# Allegro board HL_VPN_bf.brd
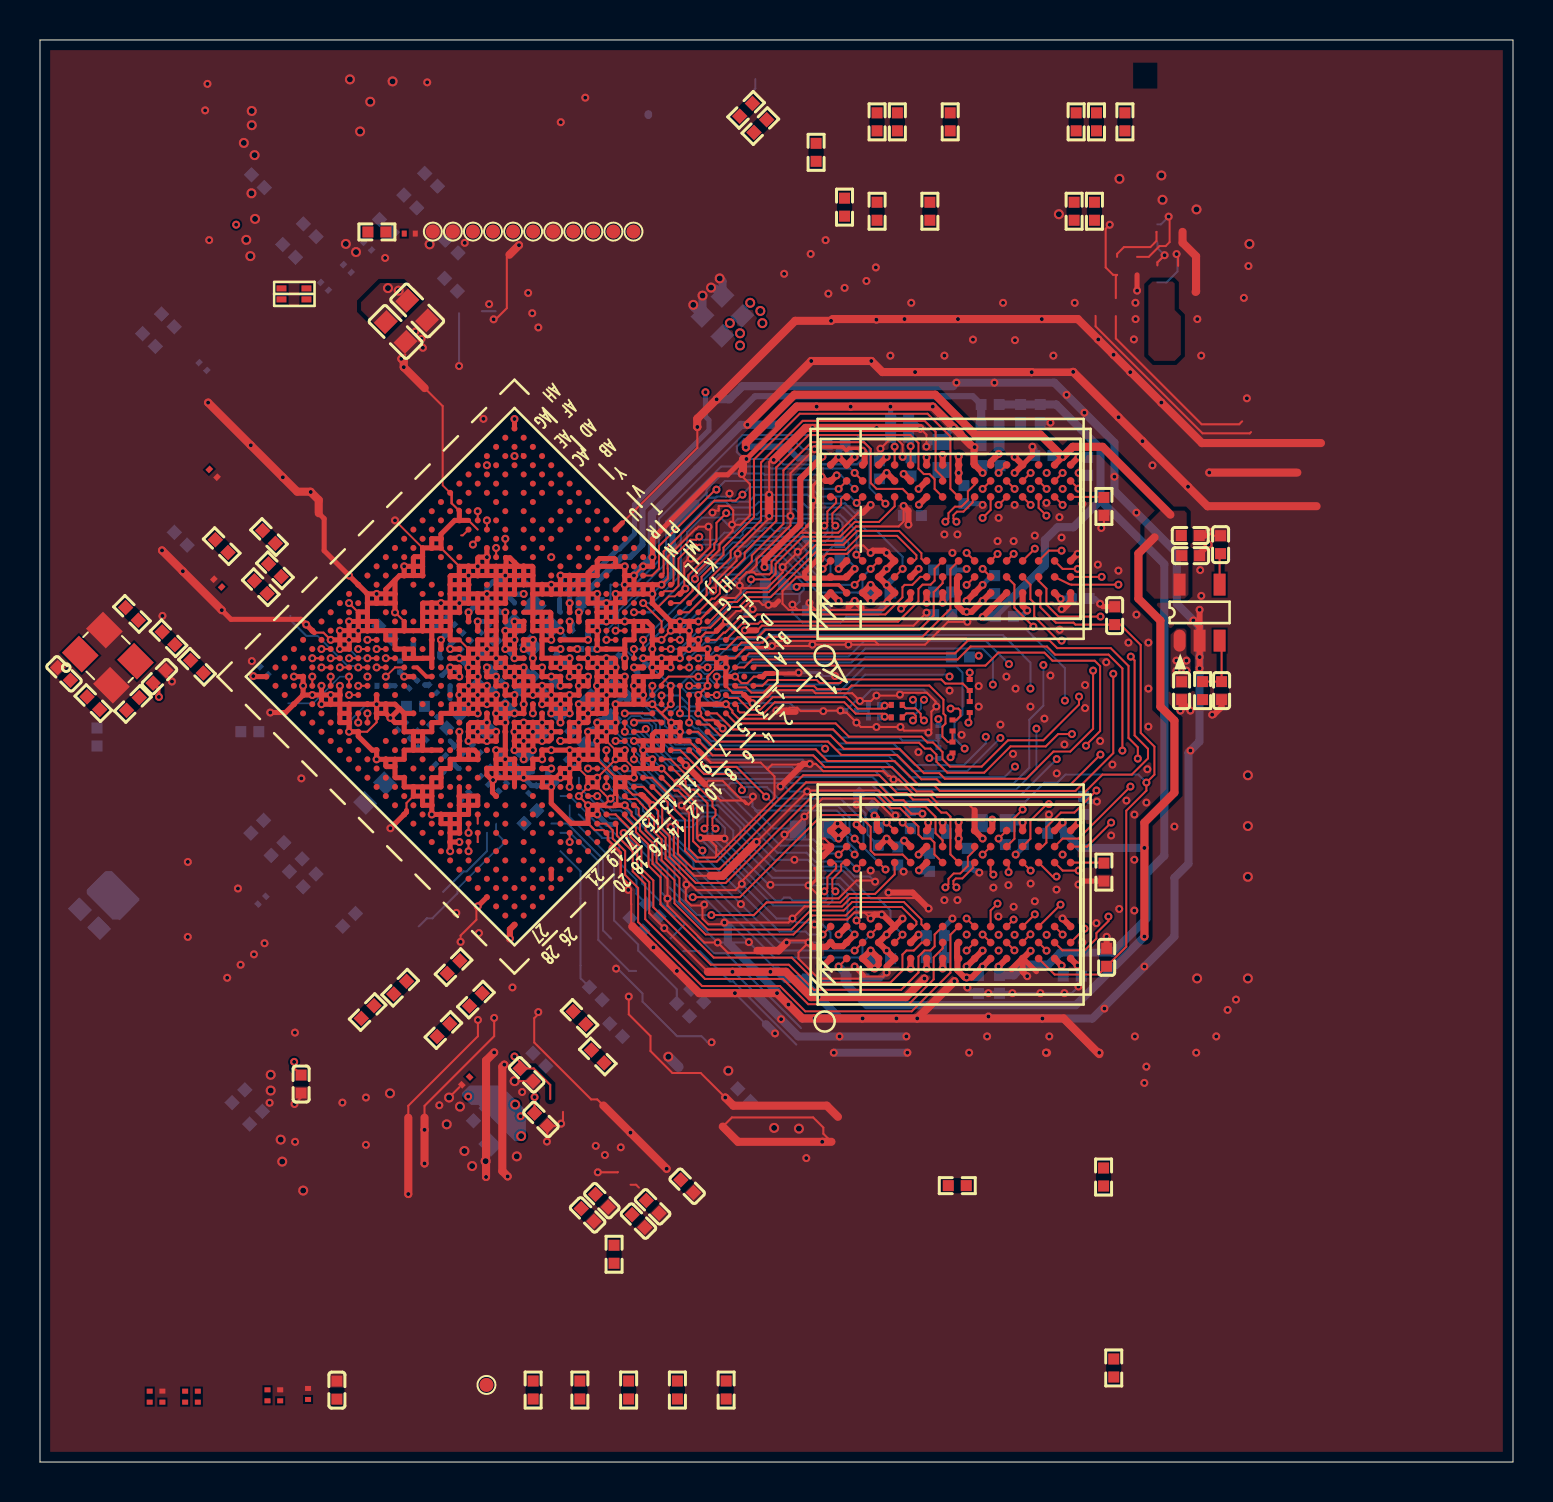
[diagram p0: board, top side]
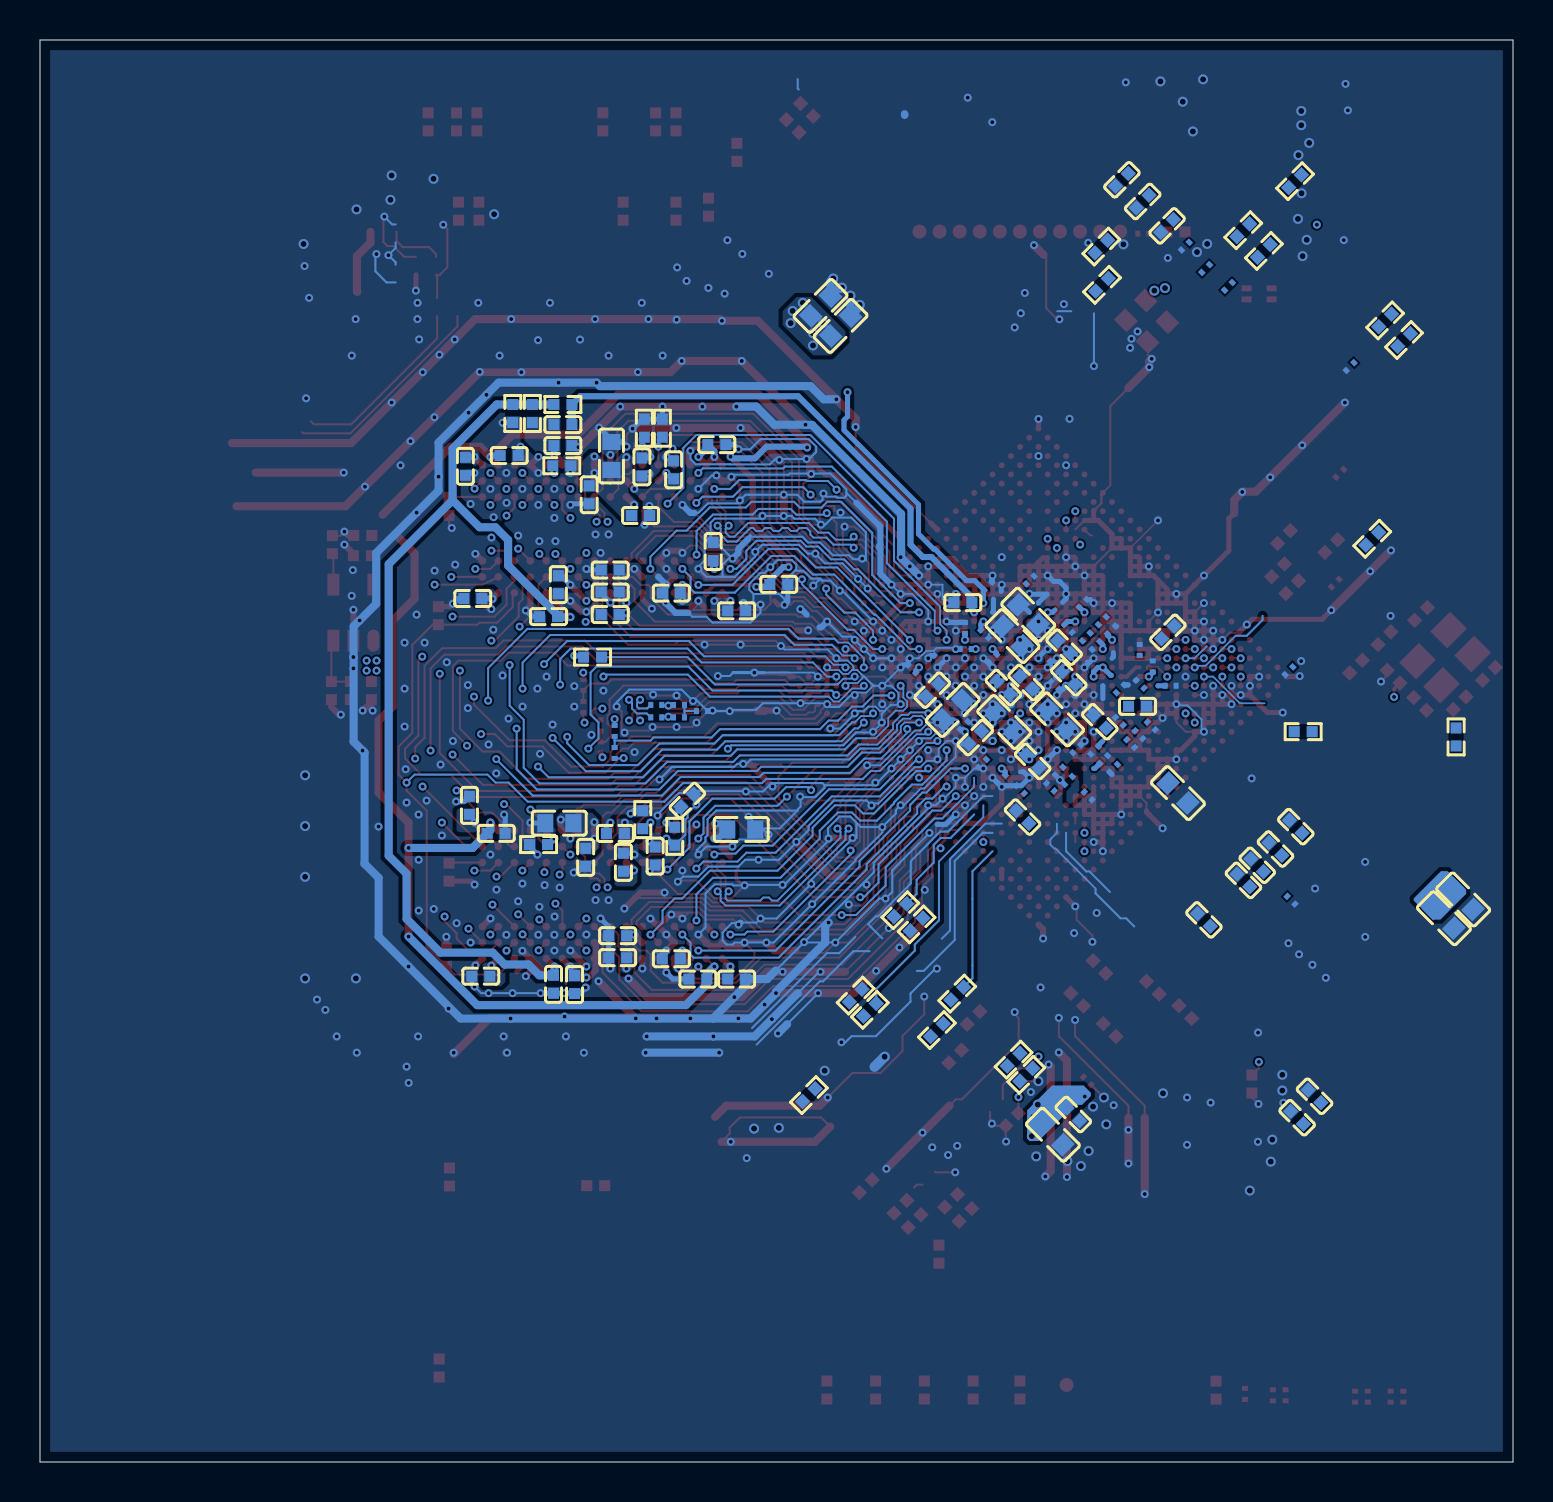
[diagram p1: board, bottom side, seen from below]

Outline 73.66 x 71.12 mm; copper layers: TOP, L2-GND1, L3-POWER, L4-S1, L5-GND2, BOTTOM. Coordinates in mm from the lower left corner of the outline.
Outline path: 0,71.12 73.66,71.12 73.66,0 0,0 0,71.12

## Design rules (mm)
constraint set DEFAULT: min track width 0.102, pair gap 0.102
net group CAN0_RX_M1: nets CAN0_RX_M1 SDMMC0_CLK
net group CIF_CLKOUT: nets CIF_CLKOUT CIF_CLKOUT_SOC
net group CLK0: nets PCIE20_REFCLKN PCIE20_REFCLKP
net group CLK32K_OUT1_WIFI: nets CLK32K_OUT1_WIFI GPIO2_C6
net group DDR4_BG1: nets DDR4_BG1 DDR4_BG1/VSS
net group DP_EDP_TXD0: nets EDP_TXD0N EDP_TXD0P
net group DP_HDMI_TX1: nets HDMI_TX1N HDMI_TX1P
net group DP_HDMI_TX2: nets HDMI_TX2N HDMI_TX2P
net group DP_TX_AUX: nets EDP_TX_AUXN EDP_TX_AUXP
net group DP_TX_D0: nets EDP_TX_D0N EDP_TX_D0P
net group EDP_TXD1N: nets EDP_TX_D1N EDP_TXD1N
net group EDP_TXD2N: nets EDP_TX_D2N EDP_TXD2N
net group EDP_TXD3N: nets EDP_TX_D3N EDP_TXD3N
net group EDP_TXD3P: nets EDP_TX_D3P EDP_TXD3P
net group EMMC_CLKOUT/FLASH_DQS: nets EMMC_CLKOUT/FLASH_DQS EMMC_CLKOUT/FLASH_DQS_SOC
net group ETH1_REFCLKO_25M_M1: nets ETH1_REFCLKO_25M_M1 ETH1_REFCLKO_25M_M1_SOC
net group GMAC1_TXCLK_M1: nets GMAC1_TXCLK_M1 GMAC1_TXCLK_M1_SOC
net group GMAC1_TXD0_M1: nets GMAC1_TXD0_M1 GMAC1_TXD0_M1_SOC
net group GMAC1_TXD1_M1: nets GMAC1_TXD1_M1 GMAC1_TXD1_M1_SOC
net group GMAC1_TXD2_M1: nets GMAC1_TXD2_M1 GMAC1_TXD2_M1_SOC
net group GMAC1_TXD3_M1: nets GMAC1_TXD3_M1 GMAC1_TXD3_M1_SOC
net group GMAC1_TXEN_M1: nets GMAC1_TXEN_M1 GMAC1_TXEN_M1_SOC
net group HDMI_TX0N: nets HDMI_TX0N HDMI_TX0N_PORT
net group HDMI_TX0P: nets HDMI_TX0P HDMI_TX0P_PORT
net group HDMI_TX1: nets HDMI_TX1N_PORT HDMI_TX1P_PORT
net group HDMI_TX2: nets HDMI_TX2N_PORT HDMI_TX2P_PORT
net group HDMI_TXCLKN: nets HDMI_TXCLKN HDMI_TXCLKN_PORT
net group HDMI_TXCLKP: nets HDMI_TXCLKP HDMI_TXCLKP_PORT
net group LVDS_TX0_CLK: nets MIPI_DSI_TX0_CLKN/LVDS_TX0_CLKN MIPI_DSI_TX0_CLKP/LVDS_TX0_CLKP
net group LVDS_TX0_D0: nets MIPI_DSI_TX0_D0N/LVDS_TX0_D0N MIPI_DSI_TX0_D0P/LVDS_TX0_D0P
net group LVDS_TX0_D1: nets MIPI_DSI_TX0_D1N/LVDS_TX0_D1N MIPI_DSI_TX0_D1P/LVDS_TX0_D1P
net group LVDS_TX0_D2: nets MIPI_DSI_TX0_D2N/LVDS_TX0_D2N MIPI_DSI_TX0_D2P/LVDS_TX0_D2P
net group LVDS_TX0_D3: nets MIPI_DSI_TX0_D3N/LVDS_TX0_D3N MIPI_DSI_TX0_D3P/LVDS_TX0_D3P
net group LVDS_TX1_CLK: nets MIPI_DSI_TX1_CLKN MIPI_DSI_TX1_CLKP
net group LVDS_TX1_D0: nets MIPI_DSI_TX1_D0N MIPI_DSI_TX1_D0P
net group LVDS_TX1_D1: nets MIPI_DSI_TX1_D1N MIPI_DSI_TX1_D1P
net group LVDS_TX1_D2: nets MIPI_DSI_TX1_D2N MIPI_DSI_TX1_D2P
net group LVDS_TX1_D3: nets MIPI_DSI_TX1_D3N MIPI_DSI_TX1_D3P
net group MIPI_CSI_RX_CLK0: nets MIPI_CSI_RX_CLK0N MIPI_CSI_RX_CLK0P
net group MIPI_CSI_RX_CLK1: nets MIPI_CSI_RX_CLK1N MIPI_CSI_RX_CLK1P
net group MIPI_CSI_RX_D0: nets MIPI_CSI_RX_D0N MIPI_CSI_RX_D0P
net group MIPI_CSI_RX_D1: nets MIPI_CSI_RX_D1N MIPI_CSI_RX_D1P
net group MIPI_CSI_RX_D2: nets MIPI_CSI_RX_D2N MIPI_CSI_RX_D2P
net group MIPI_CSI_RX_D3: nets MIPI_CSI_RX_D3N MIPI_CSI_RX_D3P
net group PCIE30_REFCLK_IN: nets PCIE30_REFCLKN_IN PCIE30_REFCLKP_IN
net group PCIE30_RX0: nets PCIE30_RX0N PCIE30_RX0P
net group PCIE30_RX1: nets PCIE30_RX1N PCIE30_RX1P
net group PCIE30_TX0: nets PCIE30_TX0N PCIE30_TX0P
net group PCIE30_TX1: nets PCIE30_TX1N PCIE30_TX1P
net group SARADC_VIN0_KEY/RECOVERY: nets SARADC_VIN0_KEY/RECOVERY VCCA_1V8
net group SDMMC0_D2/ARMJTAG_TCK: nets N17520091 SDMMC0_D2/ARMJTAG_TCK
net group SDMMC0_D3/ARMJTAG_TMS: nets N17520047 SDMMC0_D3/ARMJTAG_TMS
net group USB2_HOST2D: nets USB2_HOST2_DM USB2_HOST2_DP
net group USB2_HOST3D: nets USB2_HOST3_DM USB2_HOST3_DP
net group USB3_HOST1D: nets USB3_HOST1_DM USB3_HOST1_DP
net group USB3_OTG0D: nets USB3_OTG0_DM USB3_OTG0_DP
net group DDR4_CKE: nets DDR4_CKE DDR4_CKE_A DDR4_CKE_B
net group DDR4_CLKN: nets DDR4_CLKN DDR4_CLKN_A DDR4_CLKN_B
net group DDR4_CLKP: nets DDR4_CLKP DDR4_CLKP_A DDR4_CLKP_B
net group DDR4_CS0N: nets DDR4_CS0N DDR4_CS0N_A DDR4_CS0N_B
net group DDR4_ODT0: nets DDR4_ODT0 DDR4_ODT0_A DDR4_ODT0_B
net group DDR_DATA: nets DDR4_DML_A DDR4_DML_B DDR4_DMU_A DDR4_DMU_B DDR4_DQL0_A DDR4_DQL0_B DDR4_DQL1_A DDR4_DQL1_B DDR4_DQL2_A DDR4_DQL2_B DDR4_DQL3_A DDR4_DQL3_B DDR4_DQL4_A DDR4_DQL4_B DDR4_DQL5_A DDR4_DQL5_B DDR4_DQL6_A DDR4_DQL6_B DDR4_DQL7_A DDR4_DQL7_B DDR4_DQSL_N_A DDR4_DQSL_N_B DDR4_DQSL_P_A DDR4_DQSL_P_B DDR4_DQSU_N_A DDR4_DQSU_N_B DDR4_DQSU_P_A DDR4_DQSU_P_B DDR4_DQU0_A DDR4_DQU0_B DDR4_DQU1_A DDR4_DQU1_B DDR4_DQU2_A DDR4_DQU2_B DDR4_DQU3_A DDR4_DQU3_B DDR4_DQU4_A DDR4_DQU4_B DDR4_DQU5_A DDR4_DQU5_B DDR4_DQU6_A DDR4_DQU6_B DDR4_DQU7_A DDR4_DQU7_B
net group DP_TX_D1: nets EDP_TXD1P
net group EDP/DP_TXD2: nets EDP_TXD2P
net group I2C2_SCL_M1: nets I2C2_SCL_M1 VCC_1V8 VCC_3V3 VCCIO4 VCCIO6 VCCIO_WL

## Placement (name value [footprint] x y rotation side)
C1000  100nF  [C0402]  24.02 35.04 225 bottom
C1001  4.7uF  [C0402]  21.99 17.38 225 bottom
C1002  22uF  [C0603]  16.75 33.46 225 bottom
C1003  22uF  [C0603]  25.44 37.01 45 bottom
C1004  22uF  [C0603]  23.01 16.37 225 bottom
C1005  100nF  [C0201]  22.9 38.84 225 bottom
C1006  4.7uF  [C0402]  22.21 39.22 225 bottom
C1007  1uF  [C0402]  24.34 38.98 45 bottom
C1008  1uF  [C0402]  25.48 38.73 225 bottom
C1009  22uF  [C0603]  25.03 41.31 45 bottom
C1010  22uF  [C0603]  34.63 57.82 135 bottom
C1011  10uF  [C0603]  33.63 56.82 135 bottom
C1012  100nF  [C0201]  23.34 40.25 225 bottom
C1013  4.7uF  [C0402]  22.44 40.75 225 bottom
C1014  22uF  [C0603]  24.24 42.38 45 bottom
C1015  22uF  [C0603]  17.78 56.52 315 top
C1016  10uF  [C0603]  18.86 57.59 315 top
C1017  100nF  [C0201]  21.81 35.67 315 bottom
C1018  22uF  [C0603]  22.8 37.14 45 bottom
C1019  22uF  [C0603]  3.45 27.2 225 bottom
C1020  10uF  [C0603]  2.49 28.14 225 bottom
C1100  100nF  [C0201]  27.44 36.83 315 bottom
C1101  100nF  [C0201]  28.76 40.14 45 bottom
C1102  4.7uF  [C0402]  29.04 38.6 315 bottom
C1103  4.7uF  [C0402]  26.89 36.23 315 bottom
C1104  10uF  [C0603]  28.01 37.61 315 bottom
C1200  100nF  [C0201]  11.2 39.57 315 bottom
C1201  18pF  [C0402]  1.2 39.42 135 top
C1202  18pF  [C0402]  5.97 39.28 45 top
C1203  100nF  [C0201]  18.01 39.79 90 bottom
C1204  1uF  [C0402]  12.79 29.85 45 bottom
C1205  100nF  [C0201]  18.65 38.9 45 bottom
C1206  1uF  [C0402]  10.86 31.78 45 bottom
C1207  100nF  [C0201]  17.12 38.82 180 bottom
C1208  1uF  [C0402]  18.52 63.04 315 bottom
C1209  100nF  [C0201]  26.02 40.19 315 bottom
C1210  100nF  [C0201]  18.67 40.61 90 bottom
C1211  1uF  [C0402]  19.56 64.13 315 bottom
C1212  100nF  [C0201]  27.37 40.66 0 bottom
C1213  100nF  [C0201]  19.64 38.67 135 bottom
C1214  1uF  [C0402]  11.88 30.66 45 bottom
C1300  100nF  [C0201]  25.59 34.16 315 bottom
C1301  100nF  [C0201]  21.25 33.31 225 bottom
C1400  100nF  [C0402]  13.06 18.9 270 top
C1401  100nF  [C0201]  20.46 35.13 135 bottom
C1402  100nF  [C0201]  19.97 34.69 315 bottom
C1403  100nF  [C0201]  20.93 35.6 315 bottom
C1404  100nF  [C0201]  27.41 41.71 90 bottom
C1405  100nF  [C0201]  26.42 41.41 225 bottom
C1406  100nF  [C0201]  26.25 43.81 135 bottom
C1407  100nF  [C0201]  19.12 35.93 225 bottom
C1408  100nF  [C0201]  19.68 37.04 45 bottom
C1409  4.7uF  [C0402]  20.66 37.02 45 bottom
C1410  4.7uF  [C0402]  15.46 27.11 45 bottom
C1411  100nF  [C0201]  18.09 36.82 225 bottom
C1412  100nF  [C0201]  18.7 36.38 225 bottom
C1413  4.7uF  [C0402]  18.77 37.79 180 bottom
C1414  4.7uF  [C0402]  13.48 29.09 45 bottom
C1500  100nF  [C0201]  21.29 19.06 225 top
C1501  1nF  [C0402]  24.34 19.37 315 top
C1502  1nF  [C0402]  25.05 17.13 315 top
C1503  1nF  [C0402]  30.64 12.76 315 top
C1504  1nF  [C0402]  29.93 12.05 315 top
C1505  1nF  [C0402]  32.36 13.79 315 top
C1506  1nF  [C0402]  28.1 13.07 315 top
C1507  1nF  [C0402]  27.39 12.36 315 top
C1508  1nF  [C0402]  24.53 32.26 45 bottom
C1509  100nF  [C0201]  24.64 33.63 45 bottom
C1510  100nF  [C0201]  23.13 33.75 45 bottom
C1511  100nF  [C0201]  18.49 61.44 0 top
C1600  100nF  [C0201]  21.5 42.94 135 bottom
C1601  100nF  [C0201]  22.24 41.69 225 bottom
C1602  100nF  [C0201]  16.38 60.81 315 bottom
C1603  1uF  [C0402]  17.3 61.82 315 bottom
C1700  100nF  [C0201]  20.08 41.61 135 bottom
C1701  100nF  [C0201]  20.86 40.83 315 bottom
C1702  100nF  [C0201]  8.66 49.45 315 top
C1703  100nF  [C0201]  8.15 54.79 315 bottom
C1704  100nF  [C0201]  20.54 42.07 135 bottom
C1705  100nF  [C0201]  21.34 41.26 315 bottom
C1706  100nF  [C0201]  15.37 59.69 315 bottom
C1707  100nF  [C0201]  14.23 58.8 315 bottom
C1708  100nF  [C0201]  5.49 3.27 90 top
C1709  100nF  [C0201]  7.26 3.27 90 top
C1710  100nF  [C0201]  7.89 3.27 90 top
C1711  100nF  [C0201]  11.38 3.34 90 top
C1712  100nF  [C0201]  6.12 3.27 90 top
C1713  100nF  [C0201]  12.01 3.34 90 top
C1714  100nF  [C0201]  13.4 3.4 90 top
C1715  1uF  [C0402]  14.85 3.59 90 top
C1716  1uF  [C0402]  17.26 41.5 135 bottom
C1717  100nF  [C0201]  22.23 34.09 315 bottom
C1718  100nF  [C0201]  22.7 34.55 315 bottom
C1719  4.7uF  [C0402]  10.8 17.22 45 bottom
C1720  4.7uF  [C0402]  9.92 18.29 45 bottom
C1800  100nF  [C0201]  24.14 44.11 135 bottom
C1900  100nF  [C0201]  26.53 34.94 315 bottom
C3300  100pF  [C0201]  40.55 37.56 180 bottom
C3301  1nF  [C0402]  53.34 25.24 90 top
C3302  1nF  [C0402]  53.74 42.33 90 top
C3303  1nF  [C0402]  47.51 51.88 180 bottom
C3304  1nF  [C0402]  27.51 42.98 0 bottom
C3305  1nF  [C0402]  47.98 23.89 270 bottom
C3306  1nF  [C0402]  48.23 42.28 0 bottom
C3307  10uF  [C0603]  47.69 31.95 0 bottom
C3308  10uF  [C0603]  38.59 31.64 180 bottom
C3309  10uF  [C0603]  45.08 50.32 90 bottom
C3310  1uF  [C0402]  46.93 23.88 270 bottom
C3311  100nF  [C0402]  51.62 24.3 0 bottom
C3312  100nF  [C0402]  38.82 24.15 180 bottom
C3313  100nF  [C0402]  52.02 43.19 0 bottom
C3314  100nF  [C0402]  45.14 42.38 180 bottom
C3315  100nF  [C0402]  39.82 50.88 180 bottom
C3316  100nF  [C0402]  42.09 43.46 0 bottom
C3317  100nF  [C0402]  44.48 29.99 90 bottom
C3318  100nF  [C0402]  47.51 50.84 180 bottom
C3319  100nF  [C0402]  45.14 43.51 0 bottom
C3320  100nF  [C0402]  43.63 47.34 180 bottom
C3321  100nF  [C0402]  43.56 49.77 90 bottom
C3322  1uF  [C0402]  57.09 38.58 270 top
C3323  4.7uF  [C0402]  57.54 45.33 0 top
C3324  4.7uF  [C0402]  57.52 46.34 0 top
C3325  100nF  [C0402]  36.71 43.89 180 bottom
C3326  100nF  [C0402]  50.2 50.34 180 bottom
C3327  100nF  [C0402]  40.76 24.15 0 bottom
C3328  100nF  [C0402]  50.84 31.44 180 bottom
C3329  100nF  [C0402]  59.09 38.58 270 top
C3330  DNP  [C0402]  59.04 45.88 90 top
C3331  1uF  [C0402]  46.2 48.38 270 bottom
C3332  100nF  [C0402]  46.37 30.24 270 bottom
C3333  100nF  [C0402]  44.88 31.44 0 bottom
C3334  100nF  [C0402]  44.77 26.32 0 bottom
C3335  100nF  [C0402]  47.74 43.88 90 bottom
C3336  100nF  [C0402]  41.97 49.62 270 bottom
C3337  100nF  [C0402]  45.14 44.61 0 bottom
C3338  100nF  [C0402]  38.82 42.57 180 bottom
C3339  100nF  [C0402]  52.18 32.84 90 bottom
C3340  100nF  [C0402]  40 45.54 90 bottom
C3341  100nF  [C0402]  42.09 25.17 0 bottom
C3342  100nF  [C0402]  52.39 49.8 270 bottom
C3343  100nF  [C0402]  41.29 33.08 135 bottom
C3344  100nF  [C0402]  42.9 30.3 270 bottom
C3345  100nF  [C0402]  44.77 25.22 0 bottom
L1700  NC  [RP2_0405]  12.7 58.42 0 top
NOREF  -  []  27.03 -17.74 0 top
R1100  120R  [R0201]  30.06 39.67 45 bottom
R1200  22R  [R0402]  2.67 37.95 315 top
R1201  0R  [R0402]  6.43 41.2 315 top
R1202  1M  [R0402]  4.65 37.91 45 top
R1203  22R  [R0402]  7.85 39.78 135 top
R1204  2.2K  [R0402]  4.6 42.42 135 top
R1205  2.2K  [R0402]  10.49 36.52 180 bottom
R1206  2.2K  [R0402]  2.85 36.26 90 bottom
R1207  2.2K  [R0402]  7.04 46.18 315 bottom
R1300  22R  [R0402]  26.98 22.21 315 top
R1301  22R  [R0402]  45.87 13.82 0 top
R1302  22R  [R0402]  27.79 23.43 315 bottom
R1303  22R  [R0402]  27.89 20.28 315 top
R1304  22R  [R0402]  28.81 21.6 315 bottom
R1400  200R  [R0201]  11.1 28.1 225 bottom
R1500  22R  [R0402]  28.71 10.39 90 top
R1501  22R  [R0402]  24.34 19.37 135 bottom
R1502  22R  [R0402]  24.97 20.12 135 bottom
R1503  22R  [R0402]  34.31 3.6 270 top
R1504  22R  [R0402]  31.87 3.6 270 top
R1505  22R  [R0402]  29.44 3.6 270 top
R1506  22R  [R0402]  27 3.6 270 top
R1507  22R  [R0402]  24.66 3.6 270 top
R1508  0R  [R0402]  21.8 23.13 225 top
R1509  0R  [R0402]  20.17 21.6 225 top
R1510  0R  [R0402]  20.68 24.75 225 top
R1511  0R  [R0402]  18.01 23.72 225 top
R1512  10K  [R0402]  16.38 22.5 225 top
R1600  22R  [R0402]  38.81 65.5 90 top
R1601  22R  [R0402]  40.23 62.76 90 top
R1602  22R  [R0402]  52.83 67.03 90 top
R1603  22R  [R0402]  51.71 62.56 90 top
R1604  22R  [R0402]  44.5 62.56 90 top
R1605  22R  [R0402]  51.81 67.03 90 top
R1606  2.2K  [R0402]  54.25 67.03 90 top
R1607  2.2K  [R0402]  41.86 67.03 90 top
R1608  22R  [R0402]  45.52 67.03 90 top
R1609  22R  [R0402]  41.86 62.56 90 top
R1610  0R  [R0402]  42.87 67.03 90 top
R1611  0R  [R0402]  52.73 62.56 90 top
R1700  2.2R  [R0402]  6.39 57.1 135 bottom
R1701  2.2R  [R0402]  12.46 60.57 135 bottom
R1702  2.2R  [R0402]  5.45 56.11 135 bottom
R1703  2.2R  [R0402]  13.49 61.6 135 bottom
R1704  2.2R  [R0402]  9.09 45.81 135 top
R1705  2.2R  [R0402]  11.04 43.75 135 top
R1706  2.2R  [R0402]  11.75 44.6 135 top
R1707  2.2R  [R0402]  11.45 46.26 135 top
R1708  1.62K  [R0201]  8.89 43.96 135 top
R1800  10K  [R0402]  20.59 60.79 315 bottom
R1801  10K  [R0402]  20.55 58.88 315 bottom
R1802  22R  [R0402]  35.31 67.63 225 top
R1803  22R  [R0402]  36.02 66.81 225 top
R1804  2.2K  [R0402]  10.9 64.06 135 bottom
R1805  2.2K  [R0402]  16.85 61.52 0 top
R1900  2.2K  [R0402]  30.64 27.6 315 bottom
R1901  2.2K  [R0402]  32.87 23.33 315 bottom
R1902  22R  [R0402]  29.82 26.88 315 bottom
R1903  22R  [R0402]  32.16 22.62 315 bottom
R1904  22R  [R0402]  35.21 18.35 315 bottom
R1905  22R  [R0402]  53.69 4.7 270 top
R1906  22R  [R0402]  53.19 14.25 270 top
R3300  49.9R  [R0201]  41.71 37.86 180 bottom
R3301  49.9R  [R0201]  41.71 37.24 180 bottom
R3302  0R  [R0201]  42.84 37.86 180 bottom
R3303  0R  [R0201]  42.84 37.86 0 top
R3304  0R  [R0201]  42.84 37.24 180 bottom
R3305  0R  [R0201]  42.84 37.24 0 top
R3306  0R  [R0201]  45.63 36.84 270 top
R3307  0R  [R0201]  45.63 35.73 270 top
R3308  0R  [R0201]  46.49 38.86 270 top
R3309  0R  [R0201]  46.49 37.76 270 top
R3310  0R  [R0201]  44.92 36.56 270 bottom
R3311  0R  [R0201]  44.92 35.46 270 bottom
R3312  240R  [R0402]  43.52 32.12 90 bottom
R3313  240R  [R0402]  43.44 51.7 90 bottom
R3314  0R  [R0402]  53.2 29.5 270 top
R3315  0R  [R0402]  53.2 47.79 270 top
R3316  0R  [R0402]  41.92 31.29 270 bottom
R3317  0R  [R0402]  42.54 51.7 90 bottom
R3318  0R  [R0402]  48.73 30.88 0 bottom
R3319  0R  [R0402]  47.57 49.83 180 bottom
R3320  0R  [R0402]  46.03 40.25 180 bottom
R3321  1K  [R0402]  49.04 52.44 90 bottom
R3322  0R  [R0402]  47.51 52.89 180 bottom
R3323  1K  [R0402]  50.02 52.44 270 bottom
R3325  51K  [R0402]  58.14 38.58 90 top
TP1300  TP_0.7  [TP_0R70]  23.66 61.54 0 top
TP1301  TP_0.7  [TP_0R70]  19.64 61.54 0 top
TP1302  TP_0.7  [TP_0R70]  22.33 3.85 0 top
TP1303  TP_0.7  [TP_0R70]  20.65 61.54 0 top
TP1304  TP_0.7  [TP_0R70]  21.65 61.54 0 top
TP1305  TP_0.7  [TP_0R70]  22.65 61.54 0 top
TP1500  TP_0.7  [TP_0R70]  29.68 61.54 0 top
TP1501  TP_0.7  [TP_0R70]  24.66 61.54 0 top
TP1502  TP_0.7  [TP_0R70]  25.66 61.54 0 top
TP1600  TP_0.7  [TP_0R70]  26.67 61.54 0 top
TP1800  TP_0.7  [TP_0R70]  27.67 61.54 0 top
TP1801  TP_0.7  [TP_0R70]  28.67 61.54 0 top
U1000  RK3568  [BGA636_19R00X19R00X1R20]  23.73 39.28 225 top
U3300  DDR4_16bit_SDP  [FBGA96_14R00X11R00X1R20]  45.54 46.67 90 top
U3301  DDR4_16bit_SDP  [FBGA96_14R00X11R00X1R20]  45.54 28.38 90 top
U3302  PT5108E23E-25  [SOT_23_5]  56.99 41.08 90 top
Y1200  24MHz  [CRY4_3R20X2R50X0R80]  3.4 40.23 315 top

## Library data of the parts
C1000-C1020 C1100-C1104 C1200-C1214 C1300 C1301 C1400-C1414 C1500-C1511 C1600-C1603 C1700-C1707 C1716-C1720 C1800 C1900 C3300-C3345 = CAP NP
C1708-C1715 = CAP NP: signal model: CAP_NP_C0201_100NF_100nF
L1700 = INDUCTOR COM
R1100 R1200-R1207 R1301 R1400 R1500-R1507 R1606 R1700-R1703 R1800-R1805 R1900-R1906 R3300 R3301 R3312-R3319 R3321-R3323 R3325 = RESISTOR
R1300 R1302-R1304 R1600-R1605 R1607-R1611 R3320 = RESISTOR: signal model: RESISTOR_R0402_0R_0R
R1508-R1512 = RESISTOR: signal model: RESISTOR_R0402_22R_22R
R1704-R1708 = RESISTOR: signal model: RESISTOR_R0402_2.2R_2.2R
R3302-R3311 = RESISTOR: signal model: RESISTOR_R0201_22R_22R
TP1300-TP1305 TP1500-TP1502 TP1600 TP1800 TP1801 = TP
U1000 = SOC_RK3568
U3300 U3301 = DDR4_16bit
U3302 = LDO_PT5108
Y1200 = CRYSTAL_4P
